# KiCad board 6502.kicad_pcb
title: ABNielsen.com 6502 Single Board Computer; rev: 1; note: License: Attribution-NonCommercial 4.0 International (CC BY-NC 4.0)
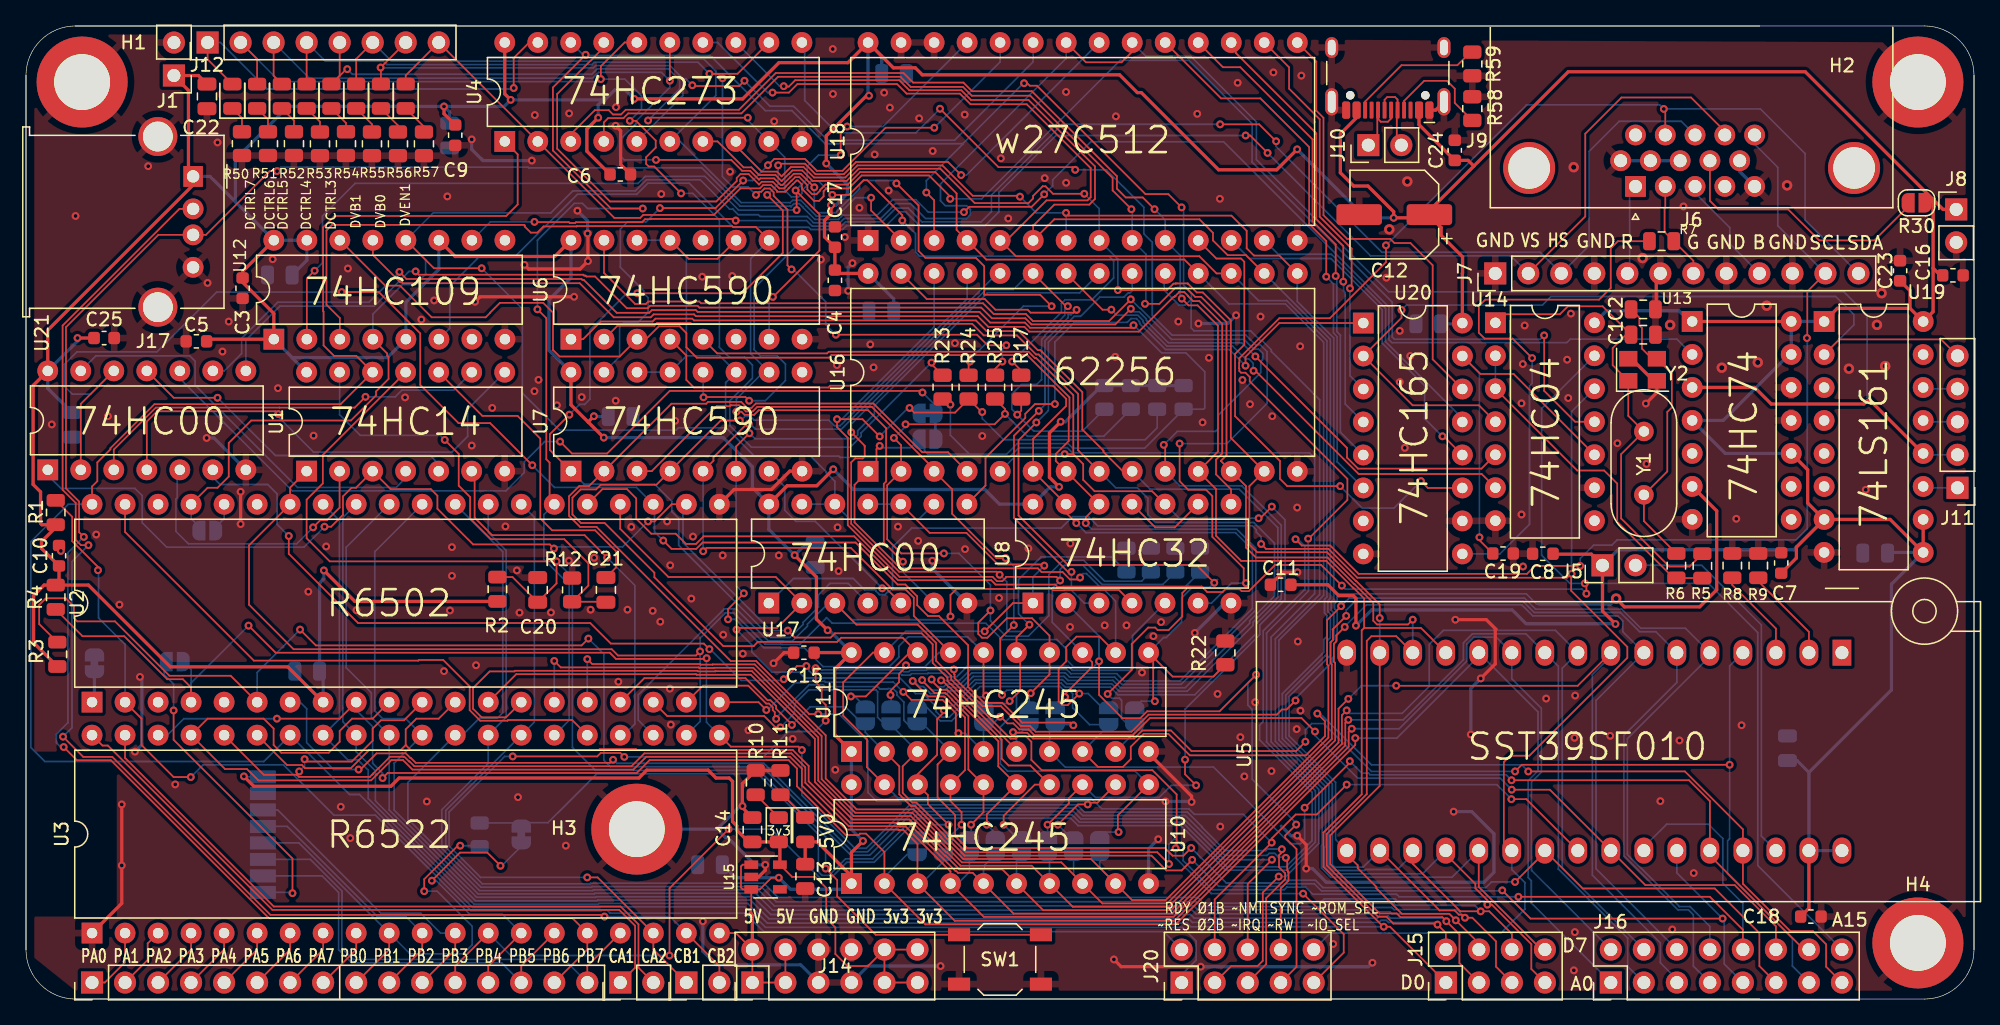
[diagram p0: board, top side]
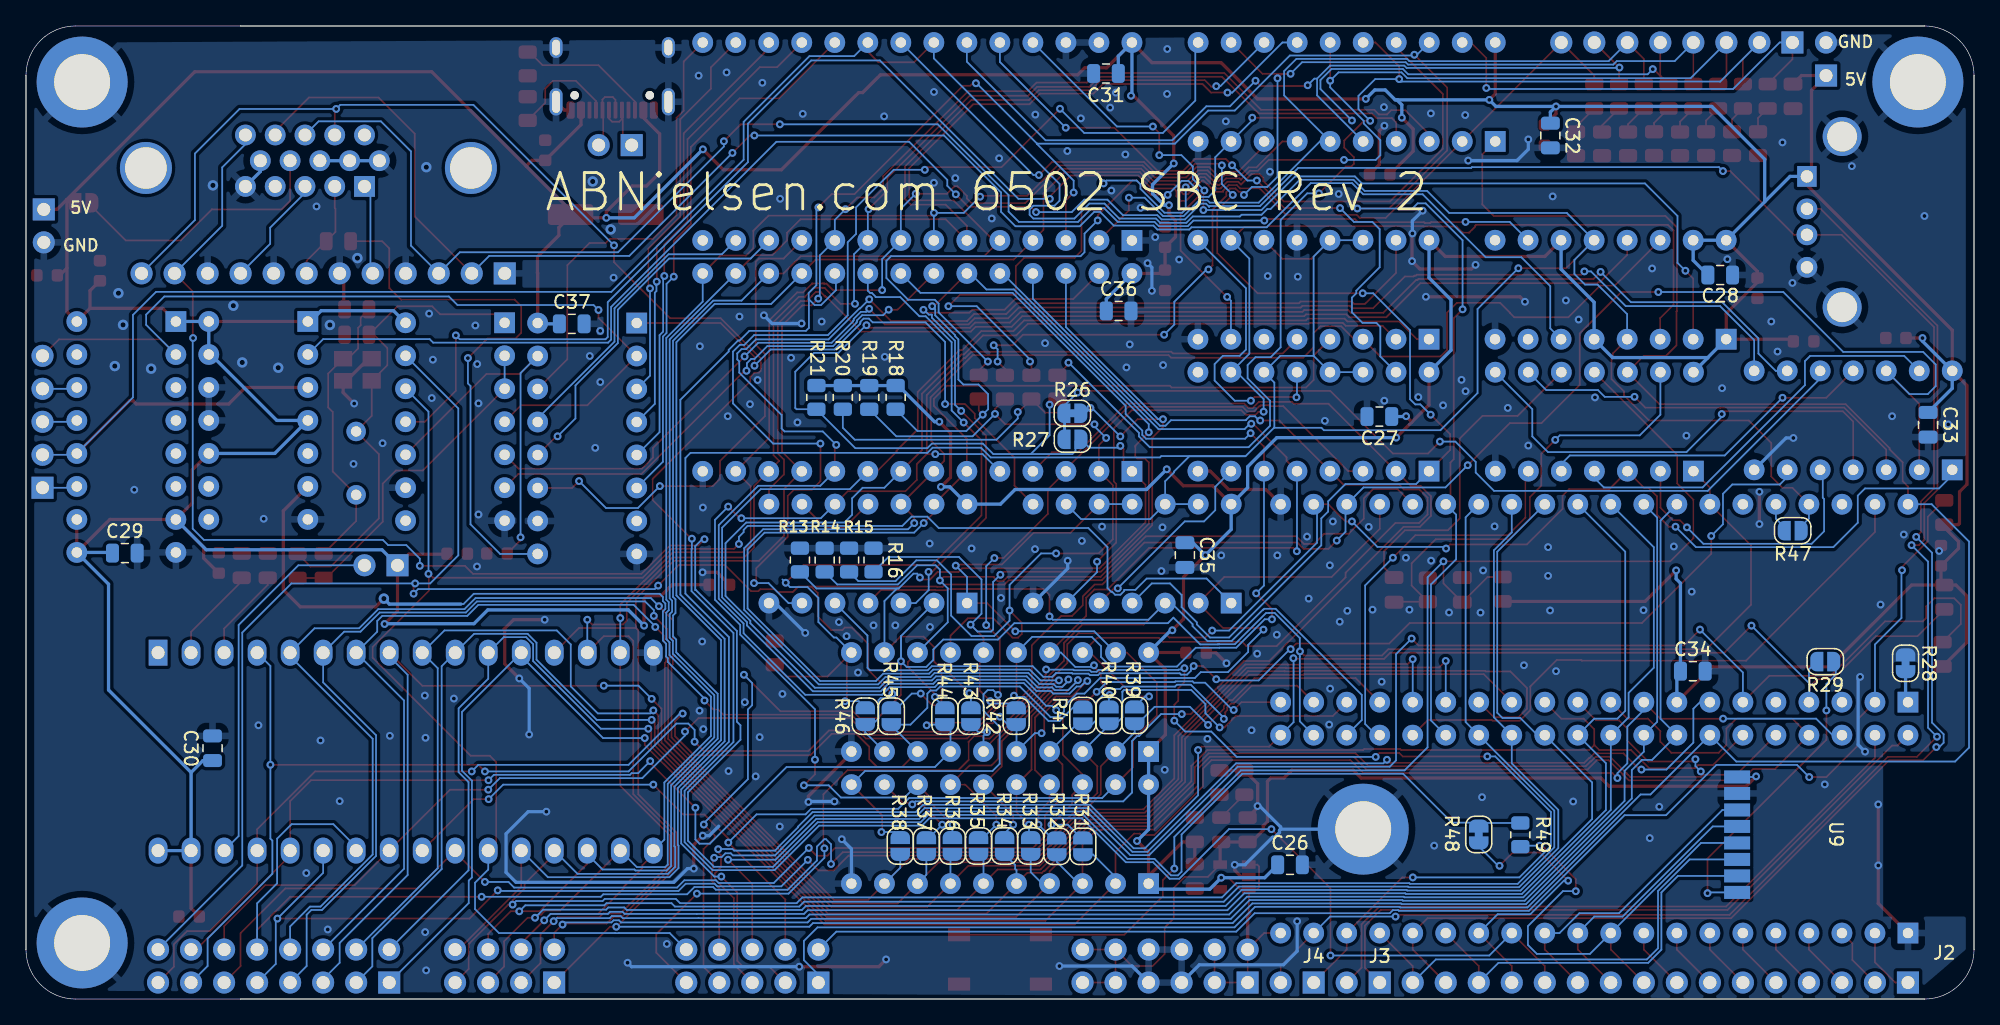
[diagram p1: board, bottom side, seen from below]

Outline 149.86 x 74.93 mm; copper layers: Top, Bottom. Coordinates in mm from the lower left corner of the outline.
Outline path: 0,71.12 0,3.81 arc(1.12,1.12) 3.81,0 146.05,0 arc(148.74,1.12) 149.86,3.81 149.86,71.12 arc(148.74,73.81) 146.05,74.93 3.81,74.93 arc(1.12,73.81) 0,71.12
Stack: Top 0.035mm / dielectric 1.51mm FR4 er 4.5 / Bottom 0.035mm

## Placement (name value [footprint] x y rotation side)
3v3  3v3  [LED_0805_2012Metric]  57.91 13.03 270 top
5V0  5v  [LED_0805_2012Metric]  59.94 13.04 270 top
C1  14pF  [C_0805_2012Metric]  124.41 51.16 0 top
C2  14pF  [C_0805_2012Metric]  124.41 53.11 0 top
C3  100nF  [C_0603_1608Metric]  16.66 54.74 270 top
C4  100nF  [C_0603_1608Metric]  62.23 55.35 270 top
C5  100nF  [C_0603_1608Metric]  13.11 50.65 180 top
C6  100nF  [C_0603_1608Metric]  45.72 63.5 0 top
C7  100nF  [C_0603_1608Metric]  135.03 33.58 90 top
C8  100nF  [C_0603_1608Metric]  116.69 34.29 180 top
C9  100nF  [C_0603_1608Metric]  33.02 66.52 270 top
C10  100nF  [C_0603_1608Metric]  2.54 34.14 90 top
C11  100nF  [C_0603_1608Metric]  96.52 31.9 180 top
C12  220uF  [CP_Elec_6.3x7.7]  105.26 60.41 180 top
C13  1uF  [C_0805_2012Metric]  59.94 9.45 270 top
C14  1uF  [C_0805_2012Metric]  55.88 13.03 90 top
C15  100nF  [C_0603_1608Metric]  59.84 26.67 180 top
C16  100nF  [C_0603_1608Metric]  148.24 55.73 0 top
C17  100nF  [C_0603_1608Metric]  62.23 58.67 90 top
C18  100nF  [C_0603_1608Metric]  137.31 6.35 0 top
C19  100nF  [C_0603_1608Metric]  113.63 34.31 0 top
C20  1uF  [C_0805_2012Metric#2]  39.36 31.51 90 top
C21  1uF  [C_0805_2012Metric#2]  44.61 31.51 90 top
C22  10uF  [C_0805_2012Metric#2]  13.92 69.51 270 top
C23  100nF  [C_0603_1608Metric]  144.17 56.08 90 top
C24  100nF  [C_0603_1608Metric]  109.91 65.36 90 top
C25  100nF  [C_0603_1608Metric]  6.01 50.9 0 top
C26  NC  [C_0805_2012Metric#2]  52.62 10.34 180 bottom
C27  NC  [C_0805_2012Metric#2]  45.75 44.85 0 bottom
C28  NC  [C_0805_2012Metric#2]  19.52 55.75 180 bottom
C29  NC  [C_0805_2012Metric#2]  142.26 34.34 180 bottom
C30  NC  [C_0805_2012Metric#2]  135.51 19.31 90 bottom
C31  NC  [C_0805_2012Metric#2]  66.78 71.27 0 bottom
C32  NC  [C_0805_2012Metric#2]  32.59 66.5 270 bottom
C33  NC  [C_0805_2012Metric#2]  3.53 44.22 270 bottom
C34  NC  [C_0805_2012Metric#2]  21.63 25.25 180 bottom
C35  NC  [C_0805_2012Metric#2]  60.71 34.19 270 bottom
C36  NC  [C_0805_2012Metric#2]  65.8 52.98 180 bottom
C37  NC  [C_0805_2012Metric#2]  107.88 51.99 180 bottom
DCTRL3  RED  [LED_0805_2012Metric]  23.5 69.52 90 top
DCTRL4  RED  [LED_0805_2012Metric]  21.59 69.52 90 top
DCTRL5  RED  [LED_0805_2012Metric]  19.69 69.52 90 top
DCTRL6  RED  [LED_0805_2012Metric]  17.78 69.52 90 top
DCTRL7  RED  [LED_0805_2012Metric]  15.88 69.52 90 top
DVB0  RED  [LED_0805_2012Metric]  27.31 69.52 90 top
DVB1  RED  [LED_0805_2012Metric]  25.4 69.52 90 top
DVEN1  RED  [LED_0805_2012Metric]  29.21 69.52 90 top
H1  MountingHole_Pad  [MountingHole_4.3mm_M4_ISO14580_Pad]  4.32 70.61 0 top
H2  MountingHole_Pad  [MountingHole_4.3mm_M4_ISO14580_Pad]  145.54 70.61 0 top
H3  MountingHole_Pad  [MountingHole_4.3mm_M4_ISO14580_Pad]  46.99 13.08 0 top
H4  MountingHole_Pad  [MountingHole_4.3mm_M4_ISO14580_Pad]  145.54 4.32 0 top
J1  5V  [PinHeader_1x02_P2.54mm_Vertical]  11.38 71.11 180 top
J2  PORTAB  [PinHeader_1x16_P2.54mm_Vertical]  5.08 1.27 90 top
J3  CA  [PinHeader_1x02_P2.54mm_Vertical]  45.72 1.27 90 top
J4  CB  [PinHeader_1x02_P2.54mm_Vertical]  50.8 1.27 90 top
J5  W27c512?  [PinHeader_1x02_P2.54mm_Vertical]  121.28 33.4 90 top
J6  DB15_Female_HighDensity  [DSUB-15-HD_Female_Horizontal_P2.29x1.98mm_EdgePinOffset8.35mm_Housed_MountingHolesOffset10.89mm]  123.82 62.57 180 top
J7  Conn_01x12_Male  [PinHeader_1x12_P2.54mm_Vertical]  113.03 55.88 90 top  (not fitted)
J8  5V  [PinHeader_1x02_P2.54mm_Vertical]  148.49 60.81 0 top
J9  USB2.0_16P  [USB_C_Receptacle_HCTL_HC-TYPE-C-16P-01A]  104.76 72.2 180 top
J10  USB  [PinHeader_1x02_P2.54mm_Vertical]  103.26 65.76 90 top
J11  GPCO  [PinHeader_1x05_P2.54mm_Vertical]  148.59 39.37 180 top
J12  Control_bus  [PinHeader_1x08_P2.54mm_Vertical]  13.97 73.66 90 top
J14  Power  [PinHeader_2x06_P2.54mm_Vertical]  55.88 1.27 90 top
J15  Data_bus  [PinHeader_2x04_P2.54mm_Vertical]  109.23 1.27 90 top
J16  Address bus  [PinHeader_2x08_P2.54mm_Vertical]  121.92 1.27 90 top
J17  USB_A  [USB_A_Molex_67643_Horizontal]  12.85 63.35 270 top
J20  Interface  [PinHeader_2x05_P2.54mm_Vertical]  88.9 1.27 90 top
R1  3k  [R_0805_2012Metric]  2.29 37.47 90 top
R2  3k  [R_0805_2012Metric]  36.26 31.56 90 top
R3  3k  [R_0805_2012Metric]  2.41 26.54 90 top
R4  3k  [R_0805_2012Metric]  2.29 30.94 270 top
R5  1M  [R_0805_2012Metric]  128.96 33.36 90 top
R6  470  [R_0805_2012Metric]  126.96 33.37 90 top
R7  150  [R_0805_2012Metric]  125.83 58.36 180 top
R8  3k  [R_0805_2012Metric]  131.26 33.37 90 top
R9  3k  [R_0805_2012Metric]  133.26 33.37 90 top
R10  3k  [R_0805_2012Metric]  56.13 16.67 90 top
R11  3k  [R_0805_2012Metric]  58.04 16.67 90 top
R12  150k  [R_0805_2012Metric#2]  42.01 31.51 90 top
R13  2k2  [R_0805_2012Metric#2]  90.32 33.81 270 bottom  (not fitted)
R14  2k2  [R_0805_2012Metric#2]  88.42 33.8 270 bottom  (not fitted)
R15  2k2  [R_0805_2012Metric#2]  86.54 33.81 270 bottom  (not fitted)
R16  NC  [R_0805_2012Metric#2]  84.66 33.8 270 bottom  (not fitted)
R17  2k2  [R_0805_2012Metric#2]  76.56 47.12 270 top
R18  2k2  [R_0805_2012Metric#2]  82.96 46.33 270 bottom  (not fitted)
R19  NC  [R_0805_2012Metric#2]  84.99 46.33 270 bottom  (not fitted)
R20  NC  [R_0805_2012Metric#2]  87.02 46.33 270 bottom  (not fitted)
R21  NC  [R_0805_2012Metric#2]  89.05 46.33 270 bottom  (not fitted)
R22  2k2  [R_0805_2012Metric#2]  92.26 26.66 270 top
R23  2k2  [R_0805_2012Metric#2]  70.51 47.12 270 top
R24  2k2  [R_0805_2012Metric#2]  72.51 47.12 270 top
R25  2k2  [R_0805_2012Metric#2]  74.55 47.12 270 top
R26  0R  [SolderJumper-2_P1.3mm_Bridged_RoundedPad1.0x1.5mm]  69.36 45.11 180 bottom
R27  NC  [SolderJumper-2_P1.3mm_Open_RoundedPad1.0x1.5mm]  69.35 43.1 180 bottom
R28  0R  [SolderJumper-2_P1.3mm_Bridged_RoundedPad1.0x1.5mm]  5.26 25.86 270 bottom
R29  NC  [SolderJumper-2_P1.3mm_Open_RoundedPad1.0x1.5mm]  11.44 25.98 0 bottom
R30  NC  [SolderJumper-2_P1.3mm_Open_RoundedPad1.0x1.5mm]  145.44 61.31 180 top
R31  NC  [SolderJumper-2_P1.3mm_Open_RoundedPad1.0x1.5mm]  68.56 11.76 90 bottom
R32  NC  [SolderJumper-2_P1.3mm_Open_RoundedPad1.0x1.5mm]  70.56 11.76 90 bottom
R33  NC  [SolderJumper-2_P1.3mm_Open_RoundedPad1.0x1.5mm]  72.57 11.78 90 bottom
R34  NC  [SolderJumper-2_P1.3mm_Open_RoundedPad1.0x1.5mm]  74.58 11.78 90 bottom
R35  NC  [SolderJumper-2_P1.3mm_Open_RoundedPad1.0x1.5mm]  76.58 11.78 90 bottom
R36  NC  [SolderJumper-2_P1.3mm_Open_RoundedPad1.0x1.5mm]  78.59 11.78 90 bottom
R37  NC  [SolderJumper-2_P1.3mm_Open_RoundedPad1.0x1.5mm]  80.6 11.77 90 bottom
R38  NC  [SolderJumper-2_P1.3mm_Open_RoundedPad1.0x1.5mm]  82.6 11.78 90 bottom
R39  NC  [SolderJumper-2_P1.3mm_Open_RoundedPad1.0x1.5mm]  64.57 21.84 90 bottom
R40  NC  [SolderJumper-2_P1.3mm_Open_RoundedPad1.0x1.5mm]  66.55 21.84 90 bottom
R41  NC  [SolderJumper-2_P1.3mm_Open_RoundedPad1.0x1.5mm]  68.56 21.83 90 bottom
R42  NC  [SolderJumper-2_P1.3mm_Open_RoundedPad1.0x1.5mm]  73.69 21.78 90 bottom
R43  NC  [SolderJumper-2_P1.3mm_Open_RoundedPad1.0x1.5mm]  77.17 21.78 90 bottom
R44  NC  [SolderJumper-2_P1.3mm_Open_RoundedPad1.0x1.5mm]  79.17 21.78 90 bottom
R45  NC  [SolderJumper-2_P1.3mm_Open_RoundedPad1.0x1.5mm]  83.29 21.78 90 bottom
R46  NC  [SolderJumper-2_P1.3mm_Open_RoundedPad1.0x1.5mm]  85.29 21.78 90 bottom
R47  NC  [SolderJumper-2_P1.3mm_Open_RoundedPad1.0x1.5mm]  13.95 36.07 0 bottom
R48  0R  [SolderJumper-2_P1.3mm_Bridged_RoundedPad1.0x1.5mm#2]  38.1 12.67 270 bottom
R49  NC  [R_0805_2012Metric#2]  34.9 12.64 90 bottom
R50  3k  [R_0805_2012Metric#2]  16.61 65.87 90 top
R51  3k  [R_0805_2012Metric#2]  18.61 65.87 90 top
R52  3k  [R_0805_2012Metric#2]  20.61 65.87 90 top
R53  3k  [R_0805_2012Metric#2]  22.61 65.86 90 top
R54  3k  [R_0805_2012Metric#2]  24.61 65.87 90 top
R55  3k  [R_0805_2012Metric#2]  26.61 65.86 90 top
R56  3k  [R_0805_2012Metric#2]  28.61 65.86 90 top
R57  3k  [R_0805_2012Metric#2]  30.61 65.86 90 top
R58  5k1  [R_0805_2012Metric#2]  111.26 68.57 90 top
R59  5k1  [R_0805_2012Metric#2]  111.26 72.01 270 top
SW1  SW_Push  [SW_SPST_TL3342]  74.93 3.05 180 top
U1  74HC14  [DIP-14_W7.62mm]  21.58 40.65 90 top
U2  R6502  [DIP-40_W15.24mm]  5.08 22.86 90 top
U3  R6522  [DIP-40_W15.24mm]  5.08 5.08 90 top
U4  74HC273  [DIP-20_W7.62mm]  36.83 66.04 90 top
U5  SST39SF010  [DIP_Socket-32_W11.9_W12.7_W15.24_W17.78_W18.5_3M_232-1285-00-0602J]  139.7 26.67 270 top
U6  74HC590  [DIP-16_W7.62mm]  41.92 50.81 90 top
U7  74HC590  [DIP-16_W7.62mm]  41.92 40.65 90 top
U8  74HC32  [DIP-14_W7.62mm]  77.46 30.49 90 top
U9  NRF24L01_Breakout  [NRF24L01-SMD]  9.53 12.7 270 bottom
U10  74HC245  [DIP-20_W7.62mm]  63.5 8.89 90 top
U11  74HC245  [DIP-20_W7.62mm]  63.5 19.06 90 top
U12  74HC109  [DIP-16_W7.62mm]  19.06 50.81 90 top
U13  74HC74  [DIP-14_W7.62mm]  128.18 52.17 0 top
U14  74HC04  [DIP-14_W7.62mm]  113.04 52.08 0 top
U15  MIC5504-3.3YM5  [SOT-23-5]  56.9 9.4 0 top
U16  62256  [DIP-28_W15.24mm]  64.78 40.64 90 top
U17  74HC00  [DIP-14_W7.62mm]  57.14 30.49 90 top
U18  w27C512  [DIP-28_W15.24mm]  64.78 58.42 90 top
U19  74LS161  [DIP-16_W7.62mm]  138.33 52.17 0 top
U20  74HC165  [DIP-16_W7.62mm]  102.88 52.06 0 top
U21  74HC00  [DIP-14_W7.62mm]  1.67 40.75 90 top
Y1  16Mhz  [Crystal_HC49-U_Vertical]  124.46 43.71 270 top  (not fitted)
Y2  16Mhz  [Crystal_SMD_3225-4Pin_3.2x2.5mm]  124.36 48.46 0 top

## Library data of the parts
3v3 5V0 DCTRL3-DCTRL7 DVB0 DVB1 DVEN1 = -: LCSC: C84256; ki_fp_filters: LED* LED_SMD:* LED_THT:*
C1 C2 = -: LCSC: C519919; ki_fp_filters: C_*
C3-C11 C15-C19 C23-C25 = -: LCSC: C14663; ki_fp_filters: C_*
C12 = -: LCSC: C131120; ki_fp_filters: CP_*
C13 = -: LCSC: C28323; ki_fp_filters: C_*
C14 C20 C21 C26-C37 = -: ki_fp_filters: C_*
C22 = -: LCSC: C15850; ki_fp_filters: C_*
H1-H4 = -: ki_fp_filters: MountingHole*Pad*
J1 J4 J5 J7 J8 J10-J12 = -: ki_fp_filters: Connector*:*_1x??_*
J2 = -: LCSC: C7500783; ki_fp_filters: Connector*:*_1x??_*
J3 = -: LCSC: C7499322; ki_fp_filters: Connector*:*_1x??_*
J6 = -: LCSC: C711363; ki_fp_filters: DSUB*Female*
J9 = -: Datasheet: https://www.usb.org/sites/default/files/documents/usb_type-c.zip; Description: USB 2.0-only 16P Type-C Receptacle connector; LCSC: C2894897; ki_fp_filters: USB*C*Receptacle*
J14 = -: LCSC: C92269; ki_fp_filters: Connector*:*_2x??_*
J15 = -: LCSC: C92271; ki_fp_filters: Connector*:*_2x??_*
J16 = -: LCSC: C30734; ki_fp_filters: Connector*:*_1x??_*
J17 = -: LCSC: C456018; ki_fp_filters: USB*
J20 = -: LCSC: C2685204; ki_fp_filters: Connector*:*_2x??_*
R1-R4 R8-R11 R50-R57 = -: LCSC: C17661; ki_fp_filters: R_*
R5 = -: LCSC: C17514; ki_fp_filters: R_*
R6 = -: LCSC: C17710; ki_fp_filters: R_*
R7 = -: LCSC: C17471; ki_fp_filters: R_*
R12 = -: LCSC: C17470; ki_fp_filters: R_*
R13-R15 R17 R18 R22-R25 = -: LCSC: C114561; ki_fp_filters: R_*
R16 R19-R21 R29-R47 R49 = -: ki_fp_filters: R_*
R26 R28 R48 = -: Description: Solder Jumper, 2-pole, closed/bridged; ki_fp_filters: SolderJumper*Bridged*
R27 = -: Description: Solder Jumper, 2-pole, open; ki_fp_filters: SolderJumper*Open*
R58 R59 = -: Description: Resistor, small symbol; LCSC: C3016714; ki_fp_filters: R_*
SW1 = -: LCSC: C318884
U1 = -: Datasheet: http://www.ti.com/lit/gpn/sn74HC14; LCSC: C2325; ki_fp_filters: DIP*W7.62mm*
U2 U3 = -: LCSC: C72123
U4 = -: Datasheet: https://assets.nexperia.com/documents/data-sheet/74HC_HCT273.pdf; LCSC: C72118; ki_fp_filters: DIP?20* SO?20* SOIC?20*
U5 = -: Datasheet: http://ww1.microchip.com/downloads/en/DeviceDoc/25022B.pdf; LCSC: C146583
U6 U7 = -: Datasheet: https://assets.nexperia.com/documents/data-sheet/74HC590.pdf; LCSC: C72115; ki_fp_filters: DIP*W7.62mm* SOIC*3.9x9.9mm*P1.27mm* TSSOP*4.4x5mm*P0.65mm* SOIC*5.3x10.2mm*P1.27mm* SOIC*7.5x10.3mm*P1.27mm*
U8 = -: Datasheet: http://www.ti.com/lit/gpn/sn74LS32; LCSC: C2325; ki_fp_filters: DIP?14*
U9 = -: Datasheet: http://www.nordicsemi.com/eng/content/download/2730/34105/file/nRF24L01_Product_Specification_v2_0.pdf; ki_fp_filters: nRF24L01*Breakout*
U10 U11 = -: Datasheet: http://www.ti.com/lit/gpn/sn74HC245; LCSC: C72118; ki_fp_filters: DIP?20*
U12 = -: Datasheet: http://www.ti.com/lit/gpn/sn74LS109; LCSC: C72115; ki_fp_filters: DIP*W7.62mm*
U13 = -: Datasheet: 74xx/74hc_hct74.pdf; LCSC: C2325; ki_fp_filters: DIP*W7.62mm*
U14 = -: Datasheet: https://assets.nexperia.com/documents/data-sheet/74HC_HCT04.pdf; LCSC: C2325; ki_fp_filters: DIP*W7.62mm* SSOP?14* TSSOP?14*
U15 = -: Datasheet: http://ww1.microchip.com/downloads/en/DeviceDoc/MIC550X.pdf; LCSC: C3021093; ki_fp_filters: SOT?23?5*
U16 = -: Datasheet: http://www.cypress.com/file/136521/download; LCSC: C72121; ki_fp_filters: SOIC*7.5x17.9mm*P1.27mm*
U17 U21 = -: Datasheet: http://www.ti.com/lit/gpn/sn74hc00; LCSC: C2325; ki_fp_filters: DIP*W7.62mm* SO14*
U18 = -: Datasheet: http://ww1.microchip.com/downloads/en/DeviceDoc/doc0015.pdf; LCSC: C72121; ki_fp_filters: DIP*W15.24mm*
U19 = -: Datasheet: http://www.ti.com/lit/gpn/sn74LS161; LCSC: C72115; ki_fp_filters: DIP?16*
U20 = -: Datasheet: http://www.ti.com/lit/gpn/sn74LS165; LCSC: C72115; ki_fp_filters: DIP?16* SO*16*3.9x9.9mm*P1.27mm* SSOP*16*5.3x6.2mm*P0.65mm* TSSOP*16*4.4x5mm*P0.65*
Y1 = -: ki_fp_filters: Crystal*
Y2 = -: Description: Four pin crystal, GND on pins 2 and 4; LCSC: C13738; ki_fp_filters: Crystal*

## Footprints (pads in the part's own frame, mm; a bottom-side part is the same pattern mirrored in y, then rotated)
C_0603_1608Metric
  rrect 0.875x0.95 smd: 1(-0.787,0) 2(0.787,0)
C_0805_2012Metric
  rrect 0.975x1.4 smd: 1(-0.938,0) 2(0.938,0)
C_0805_2012Metric#2
  rrect 1x1.45 smd: 1(-0.95,0) 2(0.95,0)
CP_Elec_6.3x7.7
  rrect 3.5x1.6 smd: 1(-2.7,0) 2(2.7,0)
Crystal_HC49-U_Vertical
  round 1.5 hole 0.8: 1(0,0) 2(4.88,0)
Crystal_SMD_3225-4Pin_3.2x2.5mm
  rect 1.4x1.2 smd: 1(-1.1,-0.85) 2(1.1,-0.85) 3(1.1,0.85) 4(-1.1,0.85)
DIP-14_W7.62mm
  rect 1.6x1.6 hole 0.8: 1(0,0)
  oval 1.6x1.6 hole 0.8: 2(0,-2.54) 3(0,-5.08) 4(0,-7.62) 5(0,-10.16) 6(0,-12.7) 7(0,-15.24) 8(7.62,-15.24) 9(7.62,-12.7) 10(7.62,-10.16) 11(7.62,-7.62) 12(7.62,-5.08) 13(7.62,-2.54) 14(7.62,0)
DIP-16_W7.62mm
  rect 1.6x1.6 hole 0.8: 1(0,0)
  oval 1.6x1.6 hole 0.8: 2(0,-2.54) 3(0,-5.08) 4(0,-7.62) 5(0,-10.16) 6(0,-12.7) 7(0,-15.24) 8(0,-17.78) 9(7.62,-17.78) 10(7.62,-15.24) 11(7.62,-12.7) 12(7.62,-10.16) 13(7.62,-7.62) 14(7.62,-5.08) 15(7.62,-2.54) 16(7.62,0)
DIP-20_W7.62mm
  rect 1.6x1.6 hole 0.8: 1(0,0)
  oval 1.6x1.6 hole 0.8: 2(0,-2.54) 3(0,-5.08) 4(0,-7.62) 5(0,-10.16) 6(0,-12.7) 7(0,-15.24) 8(0,-17.78) 9(0,-20.32) 10(0,-22.86) 11(7.62,-22.86) 12(7.62,-20.32) 13(7.62,-17.78) 14(7.62,-15.24) 15(7.62,-12.7) 16(7.62,-10.16) 17(7.62,-7.62) 18(7.62,-5.08) 19(7.62,-2.54) 20(7.62,0)
DIP-28_W15.24mm
  rect 1.6x1.6 hole 0.8: 1(0,0)
  oval 1.6x1.6 hole 0.8: 2(0,-2.54) 3(0,-5.08) 4(0,-7.62) 5(0,-10.16) 6(0,-12.7) 7(0,-15.24) 8(0,-17.78) 9(0,-20.32) 10(0,-22.86) 11(0,-25.4) 12(0,-27.94) 13(0,-30.48) 14(0,-33.02) 15(15.24,-33.02) 16(15.24,-30.48) 17(15.24,-27.94) 18(15.24,-25.4) 19(15.24,-22.86) 20(15.24,-20.32) 21(15.24,-17.78) 22(15.24,-15.24) 23(15.24,-12.7) 24(15.24,-10.16) 25(15.24,-7.62) 26(15.24,-5.08) 27(15.24,-2.54) 28(15.24,0)
DIP-40_W15.24mm
  rect 1.6x1.6 hole 0.8: 1(0,0)
  oval 1.6x1.6 hole 0.8: 2(0,-2.54) 3(0,-5.08) 4(0,-7.62) 5(0,-10.16) 6(0,-12.7) 7(0,-15.24) 8(0,-17.78) 9(0,-20.32) 10(0,-22.86) 11(0,-25.4) 12(0,-27.94) 13(0,-30.48) 14(0,-33.02) 15(0,-35.56) 16(0,-38.1) 17(0,-40.64) 18(0,-43.18) 19(0,-45.72) 20(0,-48.26) 21(15.24,-48.26) 22(15.24,-45.72) 23(15.24,-43.18) 24(15.24,-40.64) 25(15.24,-38.1) 26(15.24,-35.56) 27(15.24,-33.02) 28(15.24,-30.48) 29(15.24,-27.94) 30(15.24,-25.4) 31(15.24,-22.86) 32(15.24,-20.32) 33(15.24,-17.78) 34(15.24,-15.24) 35(15.24,-12.7) 36(15.24,-10.16) 37(15.24,-7.62) 38(15.24,-5.08) 39(15.24,-2.54) 40(15.24,0)
DIP_Socket-32_W11.9_W12.7_W15.24_W17.78_W18.5_3M_232-1285-00-0602J
  rect 2x1.44 hole 1: 1(0,0)
  oval 2x1.44 hole 1: 2(0,-2.54) 3(0,-5.08) 4(0,-7.62) 5(0,-10.16) 6(0,-12.7) 7(0,-15.24) 8(0,-17.78) 9(0,-20.32) 10(0,-22.86) 11(0,-25.4) 12(0,-27.94) 13(0,-30.48) 14(0,-33.02) 15(0,-35.56) 16(0,-38.1) 17(15.24,-38.1) 18(15.24,-35.56) 19(15.24,-33.02) 20(15.24,-30.48) 21(15.24,-27.94) 22(15.24,-25.4) 23(15.24,-22.86) 24(15.24,-20.32) 25(15.24,-17.78) 26(15.24,-15.24) 27(15.24,-12.7) 28(15.24,-10.16) 29(15.24,-7.62) 30(15.24,-5.08) 31(15.24,-2.54) 32(15.24,0)
DSUB-15-HD_Female_Horizontal_P2.29x1.98mm_EdgePinOffset8.35mm_Housed_MountingHolesOffset10.89mm
  round 4 hole 3.2: 0(-16.815,-1.42) 0(8.185,-1.42)
  rect 1.6x1.6 hole 1: 1(0,0)
  round 1.6 hole 1: 2(-2.29,0) 3(-4.58,0) 4(-6.87,0) 5(-9.16,0) 6(1.145,-1.98) 7(-1.145,-1.98) 8(-3.435,-1.98) 9(-5.725,-1.98) 10(-8.015,-1.98) 11(0,-3.96) 12(-2.29,-3.96) 13(-4.58,-3.96) 14(-6.87,-3.96) 15(-9.16,-3.96)
LED_0805_2012Metric
  rrect 0.975x1.4 smd: 1(-0.938,0) 2(0.938,0)
MountingHole_4.3mm_M4_ISO14580_Pad
  round 7 hole 4.3: 1(0,0)
NRF24L01-SMD
  rect 1x2 smd: 1(-3.13,-8.7) 2(-4.4,-8.7) 3(-1.86,-8.7) 4(-0.59,-8.7) 5(0.68,-8.7) 6(1.95,-8.7) 7(3.22,-8.7) 8(4.49,-8.7)
PinHeader_1x02_P2.54mm_Vertical
  rect 1.7x1.7 hole 1: 1(0,0)
  oval 1.7x1.7 hole 1: 2(0,-2.54)
PinHeader_1x05_P2.54mm_Vertical
  rect 1.7x1.7 hole 1: 1(0,0)
  oval 1.7x1.7 hole 1: 2(0,-2.54) 3(0,-5.08) 4(0,-7.62) 5(0,-10.16)
PinHeader_1x08_P2.54mm_Vertical
  rect 1.7x1.7 hole 1: 1(0,0)
  oval 1.7x1.7 hole 1: 2(0,-2.54) 3(0,-5.08) 4(0,-7.62) 5(0,-10.16) 6(0,-12.7) 7(0,-15.24) 8(0,-17.78)
PinHeader_1x12_P2.54mm_Vertical
  rect 1.7x1.7 hole 1: 1(0,0)
  oval 1.7x1.7 hole 1: 2(0,-2.54) 3(0,-5.08) 4(0,-7.62) 5(0,-10.16) 6(0,-12.7) 7(0,-15.24) 8(0,-17.78) 9(0,-20.32) 10(0,-22.86) 11(0,-25.4) 12(0,-27.94)
PinHeader_1x16_P2.54mm_Vertical
  rect 1.7x1.7 hole 1: 1(0,0)
  oval 1.7x1.7 hole 1: 2(0,-2.54) 3(0,-5.08) 4(0,-7.62) 5(0,-10.16) 6(0,-12.7) 7(0,-15.24) 8(0,-17.78) 9(0,-20.32) 10(0,-22.86) 11(0,-25.4) 12(0,-27.94) 13(0,-30.48) 14(0,-33.02) 15(0,-35.56) 16(0,-38.1)
PinHeader_2x04_P2.54mm_Vertical
  rect 1.7x1.7 hole 1: 1(0,0)
  oval 1.7x1.7 hole 1: 2(2.54,0) 3(0,-2.54) 4(2.54,-2.54) 5(0,-5.08) 6(2.54,-5.08) 7(0,-7.62) 8(2.54,-7.62)
PinHeader_2x05_P2.54mm_Vertical
  rect 1.7x1.7 hole 1: 1(0,0)
  oval 1.7x1.7 hole 1: 2(2.54,0) 3(0,-2.54) 4(2.54,-2.54) 5(0,-5.08) 6(2.54,-5.08) 7(0,-7.62) 8(2.54,-7.62) 9(0,-10.16) 10(2.54,-10.16)
PinHeader_2x06_P2.54mm_Vertical
  rect 1.7x1.7 hole 1: 1(0,0)
  oval 1.7x1.7 hole 1: 2(2.54,0) 3(0,-2.54) 4(2.54,-2.54) 5(0,-5.08) 6(2.54,-5.08) 7(0,-7.62) 8(2.54,-7.62) 9(0,-10.16) 10(2.54,-10.16) 11(0,-12.7) 12(2.54,-12.7)
PinHeader_2x08_P2.54mm_Vertical
  rect 1.7x1.7 hole 1: 1(0,0)
  oval 1.7x1.7 hole 1: 2(2.54,0) 3(0,-2.54) 4(2.54,-2.54) 5(0,-5.08) 6(2.54,-5.08) 7(0,-7.62) 8(2.54,-7.62) 9(0,-10.16) 10(2.54,-10.16) 11(0,-12.7) 12(2.54,-12.7) 13(0,-15.24) 14(2.54,-15.24) 15(0,-17.78) 16(2.54,-17.78)
R_0805_2012Metric
  rrect 0.975x1.4 smd: 1(-0.938,0) 2(0.938,0)
R_0805_2012Metric#2
  rrect 1.025x1.4 smd: 1(-0.912,0) 2(0.912,0)
SolderJumper-2_P1.3mm_Bridged_RoundedPad1.0x1.5mm
  custom 1x1.5 smd: 1(-0.65,0) 2(0.65,0)
SolderJumper-2_P1.3mm_Bridged_RoundedPad1.0x1.5mm#2
  custom 1x1.5 smd: 1(-0.65,0) 2(0.65,0)
SolderJumper-2_P1.3mm_Open_RoundedPad1.0x1.5mm
  custom 1x1.5 smd: 1(-0.65,0) 2(0.65,0)
SOT-23-5
  rect 1.06x0.65 smd: 1(-1.1,0.95) 2(-1.1,0) 3(-1.1,-0.95) 4(1.1,-0.95) 5(1.1,0.95)
SW_SPST_TL3342
  rect 1.7x1 smd: 1(-3.15,1.9) 1(3.15,1.9) 2(-3.15,-1.9) 2(3.15,-1.9)
USB_A_Molex_67643_Horizontal
  rect 1.6x1.5 hole 0.95: 1(0,0)
  round 1.6 hole 0.95: 2(2.5,0) 3(4.5,0) 4(7,0)
  round 3 hole 2.3: 5(-3.07,-2.71) 5(10.07,-2.71)
USB_C_Receptacle_HCTL_HC-TYPE-C-16P-01A
  round 0.65 hole 0.65 unplated: (-2.89,2.605) (2.89,2.605)
  rrect 0.6x1.3 smd: A1(-3.2,3.745) A4(-2.4,3.745) A9(2.4,3.745) A12(3.2,3.745) B1(3.2,3.745) B4(2.4,3.745) B9(-2.4,3.745) B12(-3.2,3.745)
  rrect 0.3x1.3 smd: A5(-1.25,3.745) A6(-0.25,3.745) A7(0.25,3.745) A8(1.25,3.745) B5(1.75,3.745) B6(0.75,3.745) B7(-0.75,3.745) B8(-1.75,3.745)
  oval 1x2.1 hole 0.6x1.7: S1(-4.32,3.105) S1(4.32,3.105)
  oval 1x1.6 hole 0.6x1.2: S1(-4.32,-1.075) S1(4.32,-1.075)
